# Altium PCB UmTRXv2.PcbDoc (part 2 of 25)
Units mm, origin at the board's own origin, x right, y up, seen from the top; angles counter-clockwise.
Board outline 159.5 x 99.5 mm, 6 copper layers (Top Layer, GND, MidLayer1, Mid-Layer 2, InternalPlane2, Bottom Layer), stack 1.526 mm thick; 708 components, 578 nets, 2802 pads, 1408 vias.
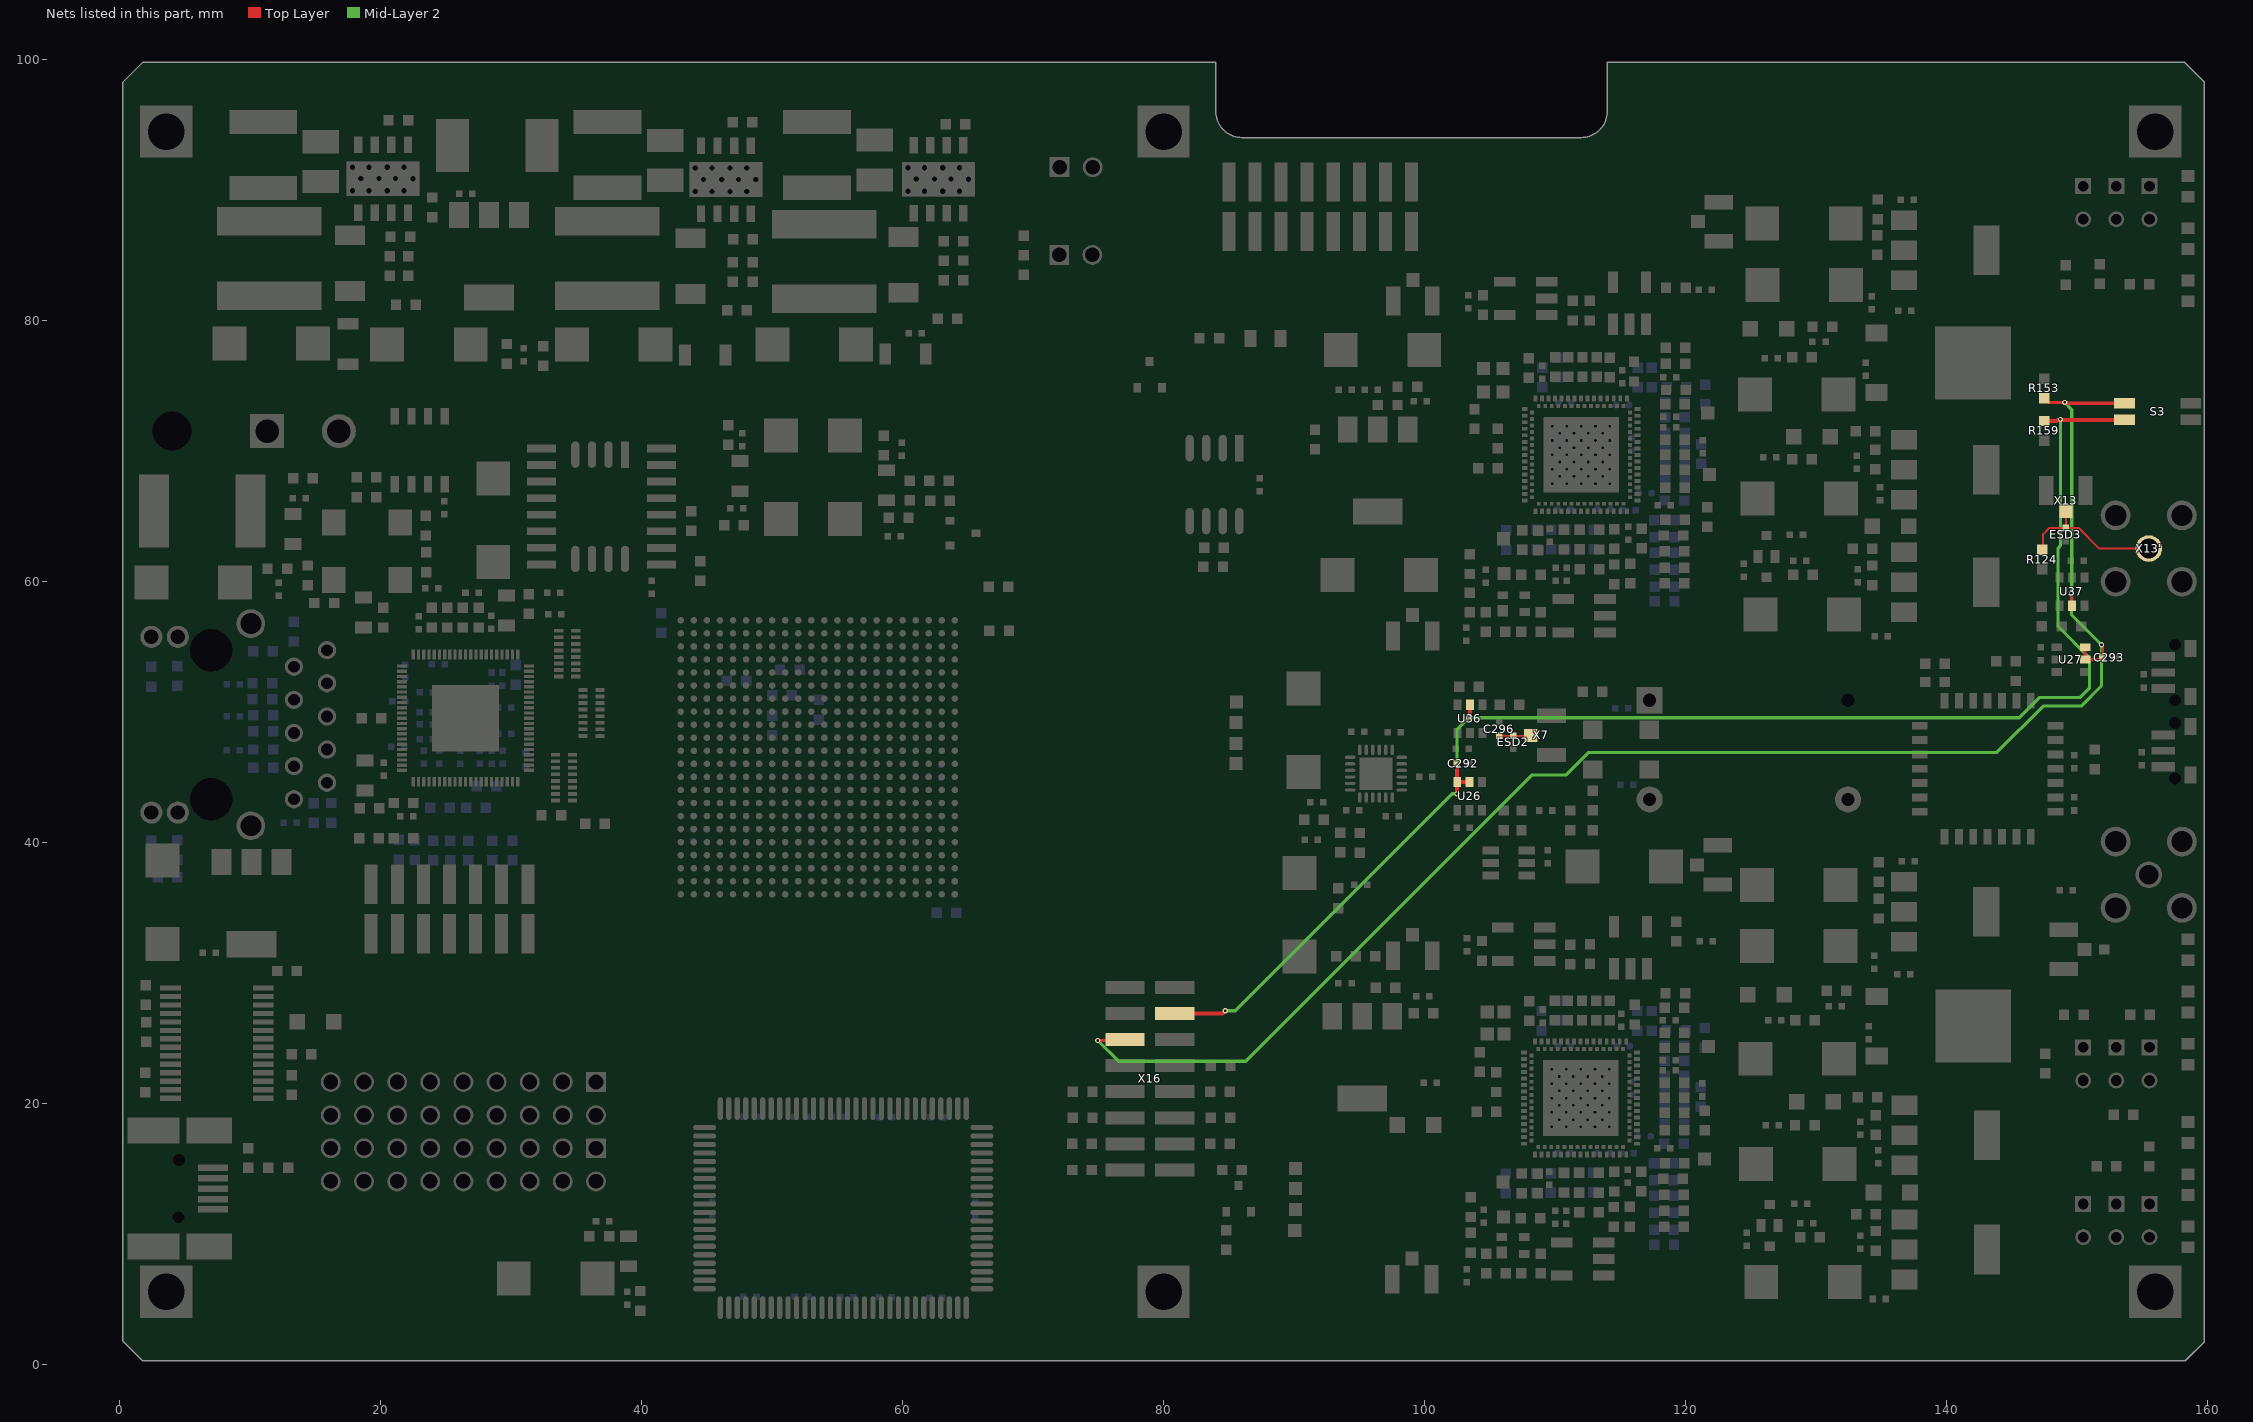
[diagram p6: the nets of this part, all layers, seen from the top]

## Components (designator, comment, footprint, x,y, rotation, side; value= is the part's Value field where it differs from the comment) (continued)
S1 "TL3340AF160QG" TL3340 157.5,47 r0 top
S2 "TL3340AF160QG" TL3340 157.5,53 r0 top
S3 "CHP-021A" CHP-02xA 156.175,73 r0 top
T1-1 "TC1-1-13MG2" AT224-1 112.125,8.05 r270 top (schematic designator T1)
T1-2 "TC1-1-13MG2" AT224-1 112.225,57.35 r270 top (schematic designator T1)
T2-1 "TC1-1-13MG2" AT224-1 115.775,31.9 r180 top (schematic designator T2)
T2-2 "TC1-1-13MG2" AT224-1 115.7,81.3 r180 top (schematic designator T2)
T3-1 "TC4-25+" AT224-1 107.6,32.175 r270 top (schematic designator T3)
T3-2 "TC4-25+" AT224-1 107.75,81.675 r270 top (schematic designator T3)
TST1-1 "" kp40x40 121.461,15.708 r270 top (schematic designator TST1)
TST1-2 "" kp40x40 121.825,68.175 r270 top (schematic designator TST1)
TST2-1 "" kp40x40 121.75,24.35 r90 top (schematic designator TST2)
TST2-2 "" kp40x40 121.7,72.9 r90 top (schematic designator TST2)
TST3-1 "RX_CLK_O" kp40x40 106.011,13.958 r90 top (schematic designator TST3)
TST3-2 "RX_CLK_O" kp40x40 106.05,63.25 r90 top (schematic designator TST3)
TST4-1 "AUX_IN" kp40x40 106.05,11.275 r90 top (schematic designator TST4)
TST4-2 "AUX_IN" kp40x40 106.1,60.575 r90 top (schematic designator TST4)
TST5-1 "RX_Ip" kp40x40 106.1,25.3 r90 top (schematic designator TST5)
TST5-2 "RX_Ip" kp40x40 106,74.5 r90 top (schematic designator TST5)
TST6-1 "RX_In" kp40x40 104.8,25.3 r90 top (schematic designator TST6)
TST6-2 "RX_In" kp40x40 104.5,74.5 r90 top (schematic designator TST6)
TST7-1 "RX_Qp" kp40x40 106.1,27 r90 top (schematic designator TST7)
TST7-2 "RX_Qp" kp40x40 106,76.3 r90 top (schematic designator TST7)
TST8-1 "RX_Qn" kp40x40 104.8,27 r90 top (schematic designator TST8)
TST8-2 "RX_Qn" kp40x40 104.5,76.3 r90 top (schematic designator TST8)
TST9 "SEN1" kp40x40 90.049,10.25 r0 top
TST10 "SCLK1" kp40x40 90.1,13.45 r0 top
TST11 "MOSI1" kp40x40 90.1,11.85 r0 top
TST12 "MISO1" kp40x40 90.1,15 r0 top
TST13 "SEN2" kp40x40 85.55,46.025 r0 top
TST14 "SCLK2" kp40x40 85.55,49.175 r0 top
TST15 "MOSI2" kp40x40 85.55,47.575 r0 top
TST16 "MISO2" kp40x40 85.6,50.725 r0 top
U1 "DAC121S101CIMK" SOT-23-6 106.45,38.4 r90 top
U2 "OHM4048052GG010020-26.0M" DIL14-20X13,2 114.85,40.775 r0 top
U3 "TCD4029-26.0M" TCXO5X3 117.599,48.75 r180 top
U4 "EB-570" EB-570 143.15,45.625 r180 top
U5 "Si5330F-A00215-GM" "QFN-24(4x4/0/5mm) with Pad" 96.275,45.25 r0 top
U6 "S25FL064K0SMFI01" SO-8[wide200] 36.825,65.7 r270 top
U6A "M25P64-VMF6" SO-16W 36.925,65.725 r180 top
U7 "24LC024SN" SOIC8 22.992,70.033 r270 top
U8 "XC6SLX75-2FGG484C" FBGA484 53.5,46.5 r180 top locked
U9 "ET1011C2-CI-DT" QFN-84(10X10/0/4MM)WITH_PAD 26.5,49.5 r270 top locked
U10 "FNETHE025" 7x5mm 18.95,62.3 r180 top
U11 "IS61NLP51236-200TQLI" QFP-10020X14/0.65] 55.45,11.95 r270 top
U12-1 "LMS6002D" DQFN120(9X9/0.5MM) 111.957,20.388 r270 top locked (schematic designator U12)
U12-2 "LMS6002D" DQFN120(9X9/0.5MM) 111.996,69.68 r270 top locked (schematic designator U12)
U14-1 "SPF-5043Z" SOT-343[2X1.25] 106.775,9.1 r270 top (schematic designator U14)
U14-2 "SPF-5043Z" SOT-343[2X1.25] 106.825,58.275 r270 top (schematic designator U14)
U15 "L5973AD" "SOIC8 - BackGND - 0.4mm dia" 46.452,90.778 r90 top
U16 "L5973AD" "SOIC8 - BackGND - 0.4mm dia" 20.185,90.837 r90 top
U17 "LD1117S" SOT-223-1 30.6,88.05 r180 top
U18 "LD1117S" SOT-223-1 98.725,71.625 r180 top
U26 "SN74LVC1T45DBV" SOT-23-6-min 103.451,43.525 r0 top
U27 "SN74LVC1T45DBV" SOT-23-6-min 149.53,53.988 r270 top
U28 "LD1117S" SOT-223-1 97.507,26.654 r180 top
U29-1 "LD1117DT33" to-252 134.65,28.185 r270 top (schematic designator U29)
U29-2 "LD1117DT33" to-252 134.625,79.02 r270 top (schematic designator U29)
U30-1 "LD1117S" SOT-223-1 136.79,11.081 r270 top (schematic designator U30)
U30-2 "LD1117S" SOT-223-1 136.74,62.226 r270 top (schematic designator U30)
U31-1 "LD1117S" SOT-223-1 136.79,19.827 r270 top (schematic designator U31)
U31-2 "LD1117S" SOT-223-1 136.74,70.826 r270 top (schematic designator U31)
U32-1 "LD1117S" SOT-223-1 136.74,36.956 r270 top (schematic designator U32)
U32-2 "LD1117S" SOT-223-1 136.75,87.65 r270 top (schematic designator U32)
U33 "FT232RL" SSOP-28(5.3x10/0.65) 7.45,24.6 r0 top
U34 "L5973AD" "SOIC8 - BackGND - 0.4mm dia" 62.752,90.803 r90 top
U35 "MAX6665ASA" SO-8 83.9,67.4 r270 top
U36 "SN74LVC1T45DBV" SOT-23-6-min 103.475,49.45 r0 top
U37 "SN74LVC1T45DBV" SOT-23-6-min 149.613,59.195 r180 top
X1 "SBH21-NBPN-D07-SM-BK" SBH-14 25.275,34.875 r0 top
X2-1 "PLD-18" PLD-18 36.5,21.62 r180 top locked
X2-2 "PLD-18" PLD-18 36.5,16.54 r180 top locked
X3 "USB B-M5-SMD" USB/SM0.8-6H5 -0.7,13.45 r180 top
X4 "RJ45 1840710-1" "RJ45 1840710-x" 7,49 r270 top locked
X5 "MF-2MRA" MF-2MRA 11.3,71.5 r0 top
X6 "1566230-1" U_FL 148.975,31.775 r180 top
X6' "SMA right angle" "SMA right angle" 155.5,37.5 r270 top
X7 "1566230-1" U_FL 109.725,48.175 r0 top
X8 "1566230-1" U_FL 99.025,6.5 r270 top
X9 "1566230-1" U_FL 122.475,38.25 r0 top
X10 "1566230-1" U_FL 122.55,87.55 r0 top
X11 "1566230-1" U_FL 99.075,55.8 r270 top
X12 "SBH21-NBPN-D08-SM-BK" SBH-16 92,88.7 r0 top
X13 "1566230-1" U_FL 149.15,66.95 r90 top
X13' "SMA right angle" "SMA right angle" 155.5,62.5 r270 top
X14 "1566230-1" U_FL 99.075,31.3 r270 top
X15 "1566230-1" U_FL 99.1,81.475 r270 top
X16 "SBH21-NBPN-D08-SM-BK" SBH-16 78.95,21.875 r90 top
X17 "FAN1" WF-2 72,85 r0 top
X18 "FAN2" WF-2 72.025,91.725 r0 top
Z1-1 "NFM3DPC223R1H3" NFM3DP 126.44,10.631 r270 top (schematic designator Z1)
Z1-2 "NFM3DPC223R1H3" NFM3DP 126.2,61.9 r270 top (schematic designator Z1)

## Footprints (in the part's own frame and the unit in brackets; to place one, negate y for a bottom-side part, rotate by r counter-clockwise, add the part's x,y. Pads: shape width x height; smd on the part's side, far side on the other; paste and mask are expansions set on the pad)
7x5mm [mm]
  rect 1.8x2 smd: 1(-2.54,-2.2) 2(2.54,-2.2) 3(2.54,2.2) 4(-2.54,2.2)
  silkscreen extent -3.7,-2.7 3.7,2.7, body extent -3.6,-2.6 3.6,2.6, height 1.55
AT224-1 [mm] "MiniCircuits TC"
  rect 0.76x1.65 smd: 1(-1.27,1.6) 2(0,1.6) 3(1.27,1.6) 4(1.27,-1.6) 6(-1.27,-1.6)
  silkscreen extent -2.2,-1.8 2.2,1.8, body extent -2.1,-1.9 2.1,1.9, height 3.61
C0402-Cirq [mm]
  rrect70% 0.5x0.5 smd: 1(-0.5,0) 2(0.5,0)
  silkscreen extent -0.9,-0.4 0.9,0.4, body extent -0.5,-0.3 0.5,0.3, height 0.2
C0402-cirq [mm]
  rrect70% 0.5x0.5 smd: 1(-0.5,0) 2(0.5,0)
  silkscreen extent -0.9,-0.4 0.9,0.4, body extent -0.5,-0.3 0.5,0.3, height 0.2
C0402-Phillips [mm]
  rect 0.5x0.5 smd: 1(-0.5,0) 2(0.5,0)
  silkscreen extent -0.9,-0.4 0.9,0.4, body extent -0.57,-0.3 0.57,0.3, height 0.55
C0603-PHILLIPS [mm]
  rect 0.8x0.8 smd: 1(-0.75,0) 2(0.75,0)
  silkscreen extent 0,-0.38 0,0.38, body extent -0.86,-0.45 0.85,0.45, height 0.9
C0603-Phillips [mm]
  rect 0.8x0.8 smd: 1(-0.75,0) 2(0.75,0)
  silkscreen extent 0,-0.38 0,0.38, body extent -0.86,-0.45 0.85,0.45, height 0.9
C0805-Phillips [mm]
  rect 0.9x1.3 smd: 1(-1.15,0) 2(1.15,0)
  silkscreen extent -1.91,-0.92 1.91,0.92, body extent -1.32,-0.69 1.23,0.67, height 0.5
c1206 [mm]
  rect 0.9x1.6 smd: 1(-1.55,0) 2(1.55,0)
  silkscreen extent -2.12,-1.12 2.12,1.12, body extent -1.64,-0.89 1.63,0.86, height 0.9
C1210_H2,5 [mil] "Capacitor"
  rect 70x110 smd: 1(-60,0) 2(60,0)
  silkscreen extent -110,-69 110,69, body extent -63,-49 63,49, height 98
C2220 [mm] "Chip Capacitor; Body 5.7 x 5.0 mm (LxW typ)"
  rect 1.85x5.2 smd: 1(-2.525,0) 2(2.525,0)
  silkscreen extent -1.3,-2.5 1.3,2.5, body extent -3,-2.6 3,2.6, height 2
CA3216 [mm] "Конденсатор эл-лит. тип А  по Fillips"
  rect 1.2x1.2 smd: 1(-1.4,0) 2(1.4,0)
  silkscreen extent -2,-1.1 2.2,1.1, body extent -2.35,-0.9 2.45,0.9, height 1.8
cd7343 [mm]
  rect 2.6x2.6 smd: 1(3.2,0) 2(-3.2,0)
  silkscreen extent -3.7,-2.1 3.7,2.2, body extent -3.51,-2.04 3.5,2.03, height 3.1
CHP-02xA [mm] "Switch 2pos Piano SMD right angle"
  rect 1.6x0.8 smd: 1(-2.54,-0.635) 2(-2.54,0.635) 3(2.54,0.635) 4(2.54,-0.635)
  silkscreen extent -3.1,-2.45 3.1,2.45, body extent -2.95,-2.3 3.7,2.3, height 4.61
DIL14-20X13,2 [mm] "VCXO"
  rect 2x2 hole 1: 1(2.4,10.1)
  round 0 / inner round 0 / far side round 2 hole 1: 7(17.6,10.1)
  round 2 hole 1: 8(17.6,2.5) 14(2.4,2.5)
  Multi-Layer pour cut-out: 16.8,2.9 17.2,3.3 18,3.3 18.4,2.9 18.4,2.1 18,1.7 17.2,1.7 16.8,2.1
  Multi-Layer pour cut-out: 1.6,2.9 2,3.3 2.8,3.3 3.2,2.9 3.2,2.1 2.8,1.7 2,1.7 1.6,2.1
  Multi-Layer pour cut-out: 1.6,10.5 2,10.9 2.8,10.9 3.2,10.5 3.2,9.7 2.8,9.3 2,9.3 1.6,9.7
  Multi-Layer pour cut-out: 16.8,10.5 17.2,10.9 18,10.9 18.4,10.5 18.4,9.7 18,9.3 17.2,9.3 16.8,9.7
  silkscreen extent -0.25,-0.38 20.32,12.95, body extent 0.07,0.1 20.07,12.7, height 8.2
DQFN120(9X9/0.5MM) [mm] "LMS6002"
  round 0.5 hole 0.2 paste-0.4: 0(-2.2,1.1) 0(-2.2,2.2) 0(-2.2,0) 0(-2.2,-2.2) 0(-2.2,-1.1) 0(-1.65,1.65) 0(-1.65,-0.55) 0(-1.65,0.55) 0(-1.65,-1.65) 0(-1.1,2.2) 0(-1.1,1.1) 0(-1.1,0) 0(-1.1,-1.1) 0(-1.1,-2.2) 0(-0.55,1.65) 0(-0.55,0.55) 0(-0.55,-0.55) 0(-0.55,-1.65) 0(0,2.2) 0(0,1.1) 0(0,0) 0(0,-1.1) 0(0,-2.2) 0(0.55,1.65) 0(0.55,0.55) 0(0.55,-0.55) 0(0.55,-1.65) 0(1.1,2.2) 0(1.1,1.1) 0(1.1,0) 0(1.1,-1.1) 0(1.1,-2.2) 0(1.65,1.65) 0(1.65,-0.55) 0(1.65,0.55) 0(1.65,-1.65) 0(2.2,1.1) 0(2.2,2.2) 0(2.2,0) 0(2.2,-2.2) 0(2.2,-1.1)
  rect 5.8x5.8 smd paste-3: 0(0,0)
  rect 0.3x0.45 smd mask+0.05: 1(-3.5,-4.325) 3(-3,-4.325) 5(-2.5,-4.325) 7(-2,-4.325) 9(-1.5,-4.325) 11(-1,-4.325) 13(-0.5,-4.325) 15(0,-4.325) 17(0.5,-4.325) 19(1,-4.325) 21(1.5,-4.325) 23(2,-4.325) 25(2.5,-4.325) 27(3,-4.325) 29(3.5,-4.325) 59(3.5,4.325) 61(3,4.325) 63(2.5,4.325) 65(2,4.325) 67(1.5,4.325) 69(1,4.325) 71(0.5,4.325) 73(0,4.325) 75(-0.5,4.325) 77(-1,4.325) 79(-1.5,4.325) 81(-2,4.325) 83(-2.5,4.325) 85(-3,4.325) 87(-3.5,4.325)
  rect 0.3x0.3 smd mask+0.05: 2(-3.25,-3.75) 4(-2.75,-3.75) 6(-2.25,-3.75) 8(-1.75,-3.75) 10(-1.25,-3.75) 12(-0.75,-3.75) 14(-0.25,-3.75) 16(0.25,-3.75) 18(0.75,-3.75) 20(1.25,-3.75) 22(1.75,-3.75) 24(2.25,-3.75) 26(2.75,-3.75) 28(3.25,-3.75) 31(3.75,-3.25) 33(3.75,-2.75) 35(3.75,-2.25) 37(3.75,-1.75) 39(3.75,-1.25) 41(3.75,-0.75) 43(3.75,-0.25) 45(3.75,0.25) 47(3.75,0.75) 49(3.75,1.25) 51(3.75,1.75) 53(3.75,2.25) 55(3.75,2.75) 57(3.75,3.25) 60(3.25,3.75) 62(2.75,3.75) 64(2.25,3.75) 66(1.75,3.75) 68(1.25,3.75) 70(0.75,3.75) 72(0.25,3.75) 74(-0.25,3.75) 76(-0.75,3.75) 78(-1.25,3.75) 80(-1.75,3.75) 82(-2.25,3.75) 84(-2.75,3.75) 86(-3.25,3.75) 89(-3.75,3.25) 91(-3.75,2.75) 93(-3.75,2.25) 95(-3.75,1.75) 97(-3.75,1.25) 99(-3.75,0.75) 101(-3.75,0.25) 103(-3.75,-0.25) 105(-3.75,-0.75) 107(-3.75,-1.25) 109(-3.75,-1.75) 111(-3.75,-2.25) 113(-3.75,-2.75) 115(-3.75,-3.25)
  rect 0.45x0.3 smd mask+0.05: 30(4.325,-3.5) 32(4.325,-3) 34(4.325,-2.5) 36(4.325,-2) 38(4.325,-1.5) 40(4.325,-1) 42(4.325,-0.5) 44(4.325,0) 46(4.325,0.5) 48(4.325,1) 50(4.325,1.5) 52(4.325,2) 54(4.325,2.5) 56(4.325,3) 58(4.325,3.5) 88(-4.325,3.5) 90(-4.325,3) 92(-4.325,2.5) 94(-4.325,2) 96(-4.325,1.5) 98(-4.325,1) 100(-4.325,0.5) 102(-4.325,0) 104(-4.325,-0.5) 106(-4.325,-1) 108(-4.325,-1.5) 110(-4.325,-2) 112(-4.325,-2.5) 114(-4.325,-3) 116(-4.325,-3.5)
  silkscreen extent -4.8,-4.8 4.8,4.8, body extent -4.5,-4.5 4.5,4.5, height 0.85
EB-570 [mm]
  rect 1.2x0.6 smd mask+0.077: 1(-5.2,3.3) 2(-5.2,2.2) 3(-5.2,1.1) 4(-5.2,0) 5(-5.2,-1.1) 6(-5.2,-2.2) 7(-5.2,-3.3) 15(5.2,-3.3) 16(5.2,-2.2) 17(5.2,-1.1) 18(5.2,0) 19(5.2,1.1) 20(5.2,2.2) 21(5.2,3.3)
  rect 0.6x1.2 smd mask+0.077: 8(-3.3,-5.2) 9(-2.2,-5.2) 10(-1.1,-5.2) 11(0,-5.2) 12(1.1,-5.2) 13(2.2,-5.2) 14(3.3,-5.2) 22(3.3,5.2) 23(2.2,5.2) 24(1.1,5.2) 25(0,5.2) 26(-1.1,5.2) 27(-2.2,5.2) 28(-3.3,5.2)
  silkscreen extent -6.33,-5.38 5.33,5.4, body extent -5.2,-5.3 5.2,5.3, height 2
FBGA484 [mm] "BGA, 484-Leads, Body 23x23mm, Pitch 1mm"
  round 0.5 smd: A1(-10.5,10.5) A2(-9.5,10.5) A3(-8.5,10.5) A4(-7.5,10.5) A5(-6.5,10.5) A6(-5.5,10.5) A7(-4.5,10.5) A8(-3.5,10.5) A9(-2.5,10.5) A10(-1.5,10.5) A11(-0.5,10.5) A12(0.5,10.5) A13(1.5,10.5) A14(2.5,10.5) A15(3.5,10.5) A16(4.5,10.5) A17(5.5,10.5) A18(6.5,10.5) A19(7.5,10.5) A20(8.5,10.5) A21(9.5,10.5) A22(10.5,10.5) AA1(-10.5,-9.5) AA2(-9.5,-9.5) AA3(-8.5,-9.5) AA4(-7.5,-9.5) AA5(-6.5,-9.5) AA6(-5.5,-9.5) AA7(-4.5,-9.5) AA8(-3.5,-9.5) AA9(-2.5,-9.5) AA10(-1.5,-9.5) AA11(-0.5,-9.5) AA12(0.5,-9.5) AA13(1.5,-9.5) AA14(2.5,-9.5) AA15(3.5,-9.5) AA16(4.5,-9.5) AA17(5.5,-9.5) AA18(6.5,-9.5) AA19(7.5,-9.5) AA20(8.5,-9.5) AA21(9.5,-9.5) AA22(10.5,-9.5) AB1(-10.5,-10.5) AB2(-9.5,-10.5) AB3(-8.5,-10.5) AB4(-7.5,-10.5) AB5(-6.5,-10.5) AB6(-5.5,-10.5) AB7(-4.5,-10.5) AB8(-3.5,-10.5) AB9(-2.5,-10.5) AB10(-1.5,-10.5) AB11(-0.5,-10.5) AB12(0.5,-10.5) AB13(1.5,-10.5) AB14(2.5,-10.5) AB15(3.5,-10.5) AB16(4.5,-10.5) AB17(5.5,-10.5) AB18(6.5,-10.5) AB19(7.5,-10.5) AB20(8.5,-10.5) AB21(9.5,-10.5) AB22(10.5,-10.5) B1(-10.5,9.5) B2(-9.5,9.5) B3(-8.5,9.5) B4(-7.5,9.5) B5(-6.5,9.5) B6(-5.5,9.5) B7(-4.5,9.5) B8(-3.5,9.5) B9(-2.5,9.5) B10(-1.5,9.5) B11(-0.5,9.5) B12(0.5,9.5) B13(1.5,9.5) B14(2.5,9.5) B15(3.5,9.5) B16(4.5,9.5) B17(5.5,9.5) B18(6.5,9.5) B19(7.5,9.5) B20(8.5,9.5) B21(9.5,9.5) B22(10.5,9.5) C1(-10.5,8.5) C2(-9.5,8.5) C3(-8.5,8.5) C4(-7.5,8.5) C5(-6.5,8.5) C6(-5.5,8.5) C7(-4.5,8.5) C8(-3.5,8.5) C9(-2.5,8.5) C10(-1.5,8.5) C11(-0.5,8.5) C12(0.5,8.5) C13(1.5,8.5) C14(2.5,8.5) C15(3.5,8.5) C16(4.5,8.5) C17(5.5,8.5) C18(6.5,8.5) C19(7.5,8.5) C20(8.5,8.5) C21(9.5,8.5) C22(10.5,8.5) D1(-10.5,7.5) D2(-9.5,7.5) D3(-8.5,7.5) D4(-7.5,7.5) D5(-6.5,7.5) D6(-5.5,7.5) D7(-4.5,7.5) D8(-3.5,7.5) D9(-2.5,7.5) D10(-1.5,7.5) D11(-0.5,7.5) D12(0.5,7.5) D13(1.5,7.5) D14(2.5,7.5) D15(3.5,7.5) D16(4.5,7.5) D17(5.5,7.5) D18(6.5,7.5) D19(7.5,7.5) D20(8.5,7.5) D21(9.5,7.5) D22(10.5,7.5) E1(-10.5,6.5) E2(-9.5,6.5) E3(-8.5,6.5) E4(-7.5,6.5) E5(-6.5,6.5) E6(-5.5,6.5) E7(-4.5,6.5) E8(-3.5,6.5) E9(-2.5,6.5) E10(-1.5,6.5) E11(-0.5,6.5) E12(0.5,6.5) E13(1.5,6.5) E14(2.5,6.5) E15(3.5,6.5) E16(4.5,6.5) E17(5.5,6.5) E18(6.5,6.5) E19(7.5,6.5) E20(8.5,6.5) E21(9.5,6.5) E22(10.5,6.5) F1(-10.5,5.5) F2(-9.5,5.5) F3(-8.5,5.5) F4(-7.5,5.5) F5(-6.5,5.5) F6(-5.5,5.5) F7(-4.5,5.5) F8(-3.5,5.5) F9(-2.5,5.5) F10(-1.5,5.5) F11(-0.5,5.5) F12(0.5,5.5) F13(1.5,5.5) F14(2.5,5.5) F15(3.5,5.5) F16(4.5,5.5) F17(5.5,5.5) F18(6.5,5.5) F19(7.5,5.5) F20(8.5,5.5) F21(9.5,5.5) F22(10.5,5.5) G1(-10.5,4.5) G2(-9.5,4.5) G3(-8.5,4.5) G4(-7.5,4.5) G5(-6.5,4.5) G6(-5.5,4.5) G7(-4.5,4.5) G8(-3.5,4.5) G9(-2.5,4.5) G10(-1.5,4.5) G11(-0.5,4.5) G12(0.5,4.5) G13(1.5,4.5) G14(2.5,4.5) G15(3.5,4.5) G16(4.5,4.5) G17(5.5,4.5) G18(6.5,4.5) G19(7.5,4.5) G20(8.5,4.5) G21(9.5,4.5) G22(10.5,4.5) H1(-10.5,3.5) H2(-9.5,3.5) H3(-8.5,3.5) H4(-7.5,3.5) H5(-6.5,3.5) H6(-5.5,3.5) H7(-4.5,3.5) H8(-3.5,3.5) H9(-2.5,3.5) H10(-1.5,3.5) H11(-0.5,3.5) H12(0.5,3.5) H13(1.5,3.5) H14(2.5,3.5) H15(3.5,3.5) H16(4.5,3.5) H17(5.5,3.5) H18(6.5,3.5) H19(7.5,3.5) H20(8.5,3.5) H21(9.5,3.5) H22(10.5,3.5) J1(-10.5,2.5) J2(-9.5,2.5) J3(-8.5,2.5) J4(-7.5,2.5) J5(-6.5,2.5) J6(-5.5,2.5) J7(-4.5,2.5) J8(-3.5,2.5) J9(-2.5,2.5) J10(-1.5,2.5) J11(-0.5,2.5) J12(0.5,2.5) J13(1.5,2.5) J14(2.5,2.5) J15(3.5,2.5) J16(4.5,2.5) J17(5.5,2.5) J18(6.5,2.5) J19(7.5,2.5) J20(8.5,2.5) J21(9.5,2.5) J22(10.5,2.5) K1(-10.5,1.5) K2(-9.5,1.5) K3(-8.5,1.5) K4(-7.5,1.5) K5(-6.5,1.5) K6(-5.5,1.5) K7(-4.5,1.5) K8(-3.5,1.5) K9(-2.5,1.5) K10(-1.5,1.5) K11(-0.5,1.5) K12(0.5,1.5) K13(1.5,1.5) K14(2.5,1.5) K15(3.5,1.5) K16(4.5,1.5) K17(5.5,1.5) K18(6.5,1.5) K19(7.5,1.5) K20(8.5,1.5) K21(9.5,1.5) K22(10.5,1.5) L1(-10.5,0.5) L2(-9.5,0.5) L3(-8.5,0.5) L4(-7.5,0.5) L5(-6.5,0.5) L6(-5.5,0.5) L7(-4.5,0.5) L8(-3.5,0.5) L9(-2.5,0.5) L10(-1.5,0.5) L11(-0.5,0.5) L12(0.5,0.5) L13(1.5,0.5) L14(2.5,0.5) L15(3.5,0.5) L16(4.5,0.5) L17(5.5,0.5) L18(6.5,0.5) L19(7.5,0.5) L20(8.5,0.5) L21(9.5,0.5) L22(10.5,0.5) M1(-10.5,-0.5) M2(-9.5,-0.5) M3(-8.5,-0.5) M4(-7.5,-0.5) M5(-6.5,-0.5) M6(-5.5,-0.5) M7(-4.5,-0.5) M8(-3.5,-0.5) M9(-2.5,-0.5) M10(-1.5,-0.5) M11(-0.5,-0.5) M12(0.5,-0.5) M13(1.5,-0.5) M14(2.5,-0.5) M15(3.5,-0.5) M16(4.5,-0.5) M17(5.5,-0.5) M18(6.5,-0.5) M19(7.5,-0.5) M20(8.5,-0.5) M21(9.5,-0.5) M22(10.5,-0.5) N1(-10.5,-1.5) N2(-9.5,-1.5) N3(-8.5,-1.5) N4(-7.5,-1.5) N5(-6.5,-1.5) N6(-5.5,-1.5) N7(-4.5,-1.5) N8(-3.5,-1.5) N9(-2.5,-1.5) N10(-1.5,-1.5) N11(-0.5,-1.5) N12(0.5,-1.5) N13(1.5,-1.5) N14(2.5,-1.5) N15(3.5,-1.5) N16(4.5,-1.5) N17(5.5,-1.5) N18(6.5,-1.5) N19(7.5,-1.5) N20(8.5,-1.5) N21(9.5,-1.5) N22(10.5,-1.5) P1(-10.5,-2.5) P2(-9.5,-2.5) P3(-8.5,-2.5) P4(-7.5,-2.5) P5(-6.5,-2.5) P6(-5.5,-2.5) P7(-4.5,-2.5) P8(-3.5,-2.5) P9(-2.5,-2.5) P10(-1.5,-2.5) P11(-0.5,-2.5) P12(0.5,-2.5) P13(1.5,-2.5) P14(2.5,-2.5) P15(3.5,-2.5) P16(4.5,-2.5) P17(5.5,-2.5) P18(6.5,-2.5) P19(7.5,-2.5) P20(8.5,-2.5) P21(9.5,-2.5) P22(10.5,-2.5) R1(-10.5,-3.5) R2(-9.5,-3.5) R3(-8.5,-3.5) R4(-7.5,-3.5) R5(-6.5,-3.5) R6(-5.5,-3.5) R7(-4.5,-3.5) R8(-3.5,-3.5) R9(-2.5,-3.5) R10(-1.5,-3.5) R11(-0.5,-3.5) R12(0.5,-3.5) R13(1.5,-3.5) R14(2.5,-3.5) R15(3.5,-3.5) R16(4.5,-3.5) R17(5.5,-3.5) R18(6.5,-3.5) R19(7.5,-3.5) R20(8.5,-3.5) R21(9.5,-3.5) R22(10.5,-3.5) T1(-10.5,-4.5) T2(-9.5,-4.5) T3(-8.5,-4.5) T4(-7.5,-4.5) T5(-6.5,-4.5) T6(-5.5,-4.5) T7(-4.5,-4.5) T8(-3.5,-4.5) T9(-2.5,-4.5) T10(-1.5,-4.5) T11(-0.5,-4.5) T12(0.5,-4.5) T13(1.5,-4.5) T14(2.5,-4.5) T15(3.5,-4.5) T16(4.5,-4.5) T17(5.5,-4.5) T18(6.5,-4.5) T19(7.5,-4.5) T20(8.5,-4.5) T21(9.5,-4.5) T22(10.5,-4.5) U1(-10.5,-5.5) U2(-9.5,-5.5) U3(-8.5,-5.5) U4(-7.5,-5.5) U5(-6.5,-5.5) U6(-5.5,-5.5) U7(-4.5,-5.5) U8(-3.5,-5.5) U9(-2.5,-5.5) U10(-1.5,-5.5) U11(-0.5,-5.5) U12(0.5,-5.5) U13(1.5,-5.5) U14(2.5,-5.5) U15(3.5,-5.5) U16(4.5,-5.5) U17(5.5,-5.5) U18(6.5,-5.5) U19(7.5,-5.5) U20(8.5,-5.5) U21(9.5,-5.5) U22(10.5,-5.5) V1(-10.5,-6.5) V2(-9.5,-6.5) V3(-8.5,-6.5) V4(-7.5,-6.5) V5(-6.5,-6.5) V6(-5.5,-6.5) V7(-4.5,-6.5) V8(-3.5,-6.5) V9(-2.5,-6.5) V10(-1.5,-6.5) V11(-0.5,-6.5) V12(0.5,-6.5) V13(1.5,-6.5) V14(2.5,-6.5) V15(3.5,-6.5) V16(4.5,-6.5) V17(5.5,-6.5) V18(6.5,-6.5) V19(7.5,-6.5) V20(8.5,-6.5) V21(9.5,-6.5) V22(10.5,-6.5) W1(-10.5,-7.5) W2(-9.5,-7.5) W3(-8.5,-7.5) W4(-7.5,-7.5) W5(-6.5,-7.5) W6(-5.5,-7.5) W7(-4.5,-7.5) W8(-3.5,-7.5) W9(-2.5,-7.5) W10(-1.5,-7.5) W11(-0.5,-7.5) W12(0.5,-7.5) W13(1.5,-7.5) W14(2.5,-7.5) W15(3.5,-7.5) W16(4.5,-7.5) W17(5.5,-7.5) W18(6.5,-7.5) W19(7.5,-7.5) W20(8.5,-7.5) W21(9.5,-7.5) W22(10.5,-7.5) Y1(-10.5,-8.5) Y2(-9.5,-8.5) Y3(-8.5,-8.5) Y4(-7.5,-8.5) Y5(-6.5,-8.5) Y6(-5.5,-8.5) Y7(-4.5,-8.5) Y8(-3.5,-8.5) Y9(-2.5,-8.5) Y10(-1.5,-8.5) Y11(-0.5,-8.5) Y12(0.5,-8.5) Y13(1.5,-8.5) Y14(2.5,-8.5) Y15(3.5,-8.5) Y16(4.5,-8.5) Y17(5.5,-8.5) Y18(6.5,-8.5) Y19(7.5,-8.5) Y20(8.5,-8.5) Y21(9.5,-8.5) Y22(10.5,-8.5)